# Altium PCB PCB_MPPT.PcbDoc (part 3 of 3)
Units mm, origin at the board's own origin, x right, y up, seen from the top; angles counter-clockwise.
Board outline 100 x 200 mm, 4 copper layers (Top Layer, INT1, INT2, Bottom Layer), stack 1.49 mm thick; 260 components, 151 nets, 768 pads, 592 vias.
Unrouted connection lines stored in the file: 70.
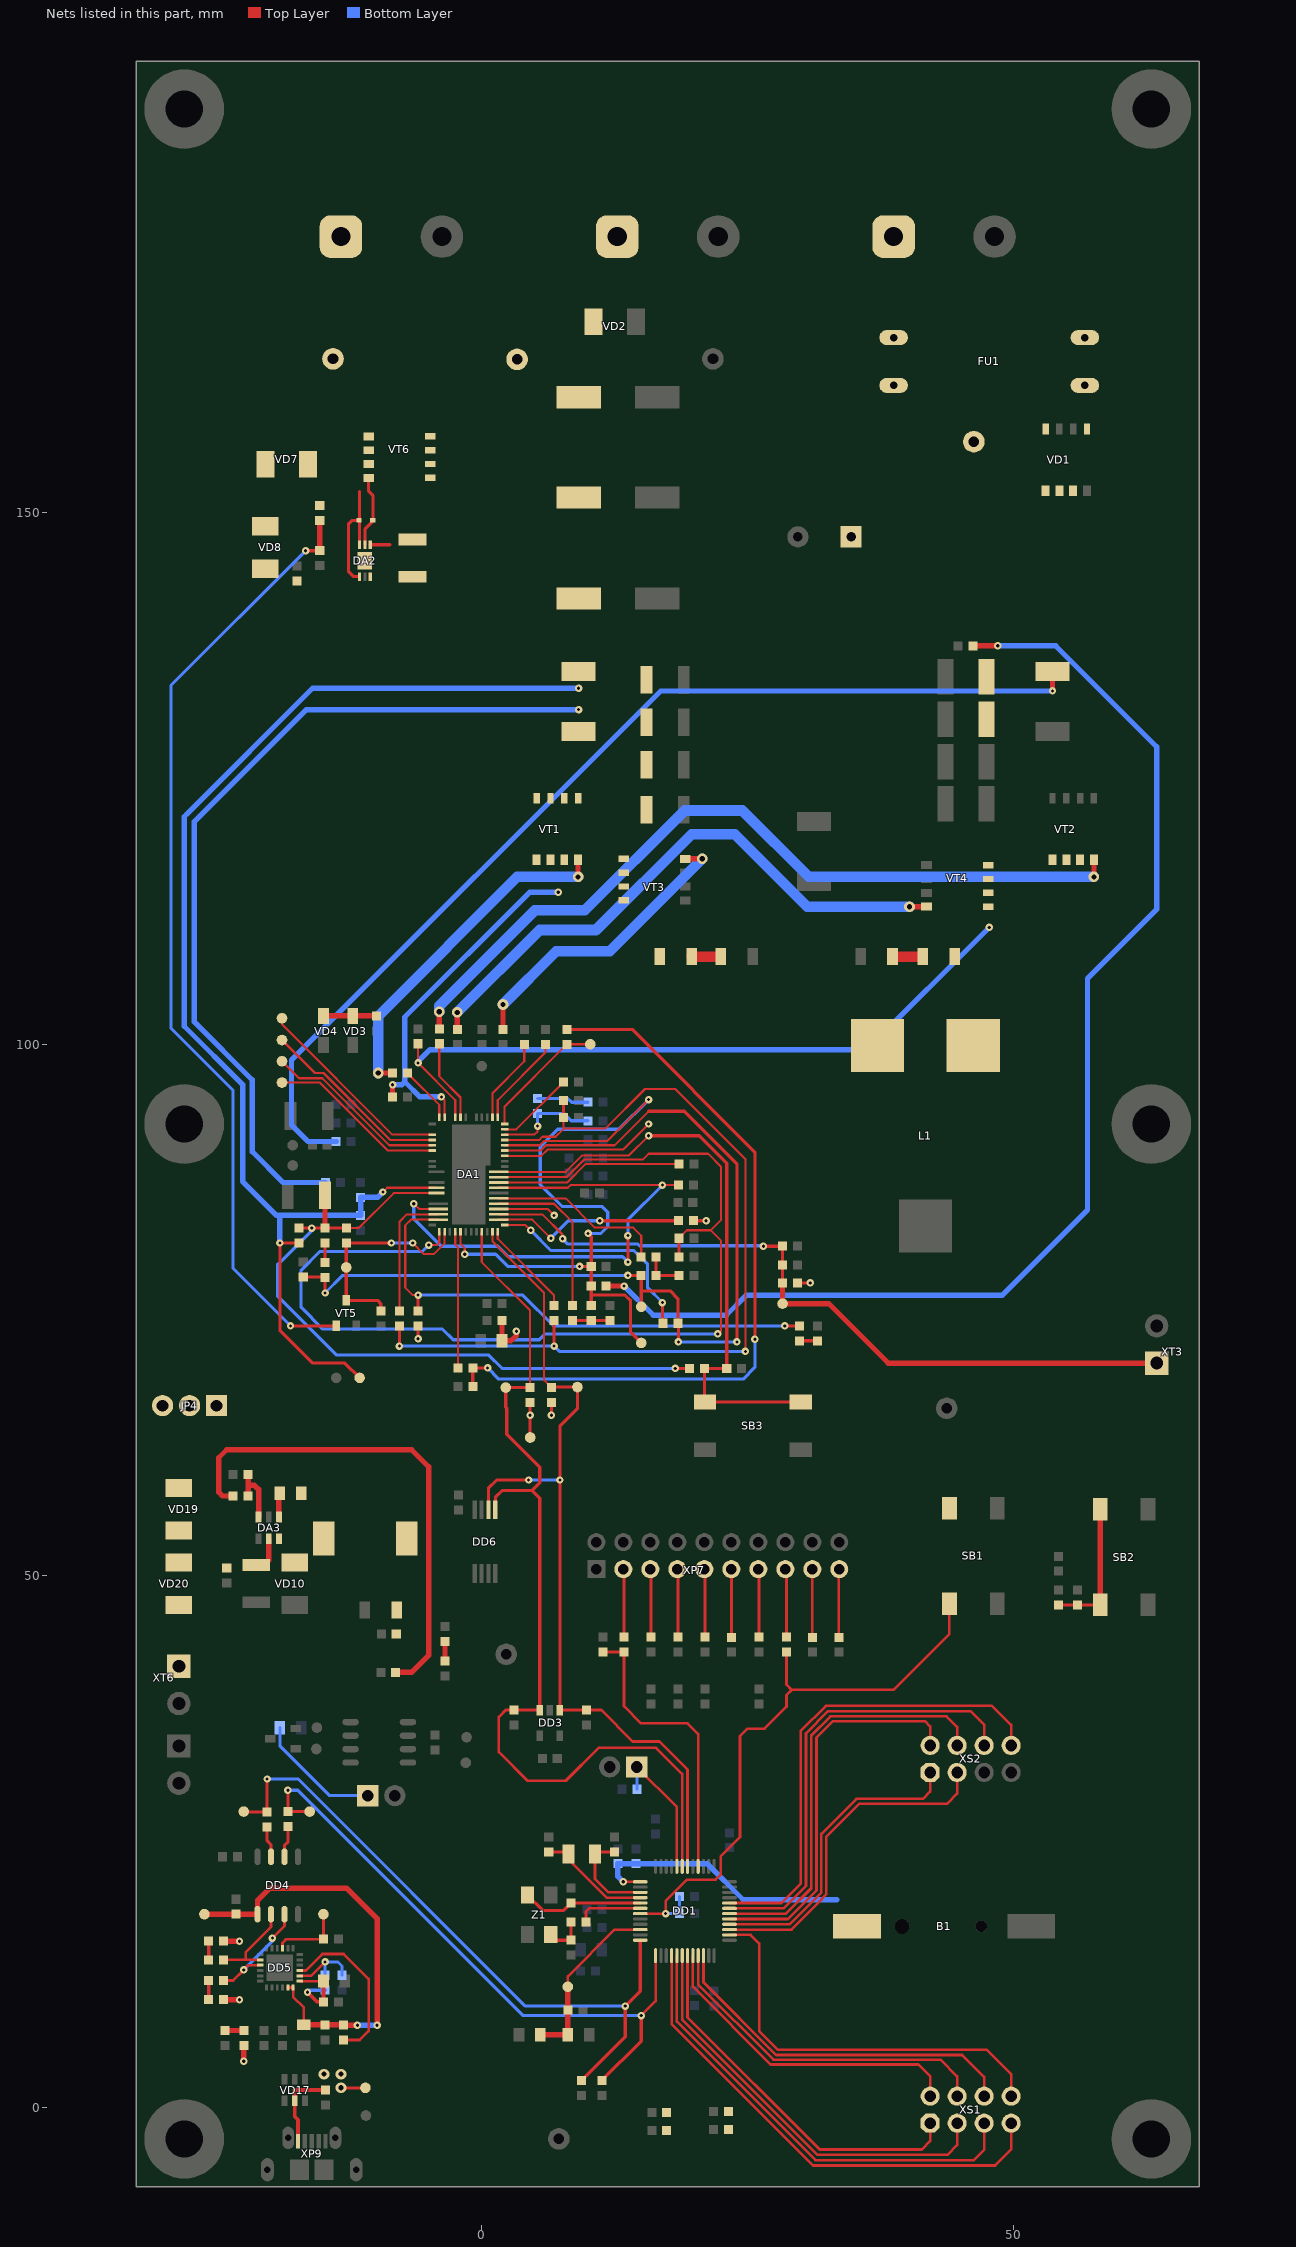
[diagram p5: the nets of this part, all layers, seen from the top]

## Via types
v1: diameter 0.7, hole 0.3, Top Layer to Bottom Layer, tented top, 357 vias
v2: diameter 0.7, hole 0.3, Top Layer to Bottom Layer, 214 vias
v3: diameter 1, hole 0.5, Top Layer to Bottom Layer, 21 vias

## Nets (pads, with @x,y where several pads share a name; then routed paths per layer and width w, separated by ;. In a path a pad name is that pad's centre, name@x,y a point inside that pad or via, vN(x,y) a via of type N, cw(c..) or ccw(c..) an arc to the next point about the centre after c; other vN are vias at no path point) (continued)
Net5_1: 5.1 DA1.16 DA1.57 R18.1 R23.1 R27.2 | length 71.7
  Top Layer w0.2: DA1.57@-2,82.35 -2,81.216 -1.85,81.066 -1.85,81.05 -1.6,80.8 v2(-1.6,80.25) ; DA1.16@2.15,90.5 5.469,90.5 5.869,90.9 11.8,90.9 v2(15.7,94.8)
  Top Layer w0.3: v2(9.2,79.1) R27.2@10.3,79.1 ; v2(10,82.2) 10.3,81.9 R27.2@10.3,79.1 ; R23.1@10.3,75.4 10.3,76.4 ; 5.1@15,71.9 14,72.9 14,75.875 13.475,76.4 10.3,76.4 ; 10.3,76.4 R27.2@10.3,79.1
  Bottom Layer w0.3: v2(-1.6,80.25) 1.3,80.25 2.45,79.1 v2(9.2,79.1) ; v2(10,82.2) 11.2,82.2 11.859,82.859 11.859,84.191 11.3,84.75 7.55,84.75 5.5,86.8 5.5,90.35 7.15,92 12.9,92 v2(15.7,94.8)
Net7_1: 7.1 DA1.15 R20.2 R21.1 R24.1 R29.1 | length 92.3
  Top Layer w0.2: DA1.15@2.15,90 5.534,90 6.034,90.5 12.5,90.5 15.7,93.7
  Top Layer w0.3: R29.1@-16.8,78.1 R20.2@-14.8,78.1 ; v2(-14.75,76.6) R20.2@-14.75,78.05 ; v2(13.75,78.25) R24.1@15,78.25 15,76.8 ; 7.1@15,75.3 15,76.8 ; 15.7,93.7 19.05,93.7 24,88.75 v2(24,72) ; R21.1@18.45,73.75 18.45,76.075 17.725,76.8 15,76.8 ; v2(18.5,72) R21.1@18.5,73.7
  Bottom Layer w0.3: v2(-14.75,76.6) -13.1,78.25 v2(13.75,78.25) ; v2(18.5,72) v2(24,72)
Net9_1: 9.1 DA1.35 | length 19
  Top Layer w0.2: 9.1@-18.8,102.45 -18.8,101.881 -8.419,91.5 DA1.35@-4.65,91.5
Net10_1: 10.1 DA1.36 | length 18
  Top Layer w0.2: 10.1@-18.8,100.4 -15.7,97.3 -14.9,97.3 -8.6,91 DA1.36@-4.65,91
Net12_1: 12.1 DA1.37 | length 17.4
  Top Layer w0.2: 12.1@-18.8,98.4 -17.2,96.8 -15,96.8 -8.7,90.5 DA1.37@-4.65,90.5
Net13_1: 13.1 DA1.38 | length 16.8
  Top Layer w0.2: 13.1@-18.8,96.4 -15.25,96.4 -8.85,90 DA1.38@-4.65,90
Net15_1: 15.1 DA1.20 R42.2 | length 12.1
  Top Layer w0.2: DA1.20@2.15,92.5 2.15,94.15 R42.2@8,100 15.1@10.2,100
Net17_1: 17.1 C38.2 DA1.3 R46.1 R49.2 XT3.1 | length 71.1
  Top Layer w0.2: DA1.3@1.6,84 5.7,84 7.6,82.1 v2(7.6,81.7)
  Top Layer w0.3: v2(26.5,81) C38.2@28.3,81 R49.2@28.3,79.25 R46.1@28.3,77.55
  Top Layer w0.5: R46.1@28.3,77.55 17.1@28.3,75.6 32.65,75.6 38.25,70 XT3.1@63.5,70
  Bottom Layer w0.3: v2(7.6,81.7) 8.1,81.2 14.7,81.2 14.85,81.05 26.45,81.05 v2(26.5,81)
Net49_1: 49.1 DD5.15 R109.2 | length 6.8
  Top Layer w0.25: DD5.15@-18.747,14.95 -18.747,15.453 -18.4,15.8 R109.2@-14.9,15.8 49.1@-14.9,18.15
NetB1_+: B1.+ C53.2 DD1.1 R112.2 | length 25.5
  Top Layer w0.25: v2@13.3,21.2 v2(13.305,21.195) DD1.1@14.909,21.195
  Bottom Layer w0.5: v2(13.305,21.195) 12.8,21.7 C53.2@12.8,22.9 R112.2@14.5,22.9 21.2,22.9 24.6,19.5 33.4,19.5
NetC6_2: C6.2 C7.2 R1.1 R5.1 VT1.5 VT1.6 VT1.7 VT1.8 | length 81.9
  Bottom Layer w0.5: R5.1@-14.7,87 -18.7,87 -21.6,89.9 -21.6,96.65 -27.05,102.1 -27.05,120.95 -16.507,131.493 v2(9.107,131.493)
NetC10_2: C10.2 C11.2 C12.2 C13.1 R2.1 R4.1 VD1.1 VD1.2 VD1.3 | length 216.8
  Top Layer w0.5: 11.7,77.259 13.384,77.259 v2(13.393,77.25) ; C10.2@46.2,137.5 v2(48.55,137.5) ; v2(53.7,133.25) R2.1@53.7,135.075
  Bottom Layer w0.5: R4.1@-13.7,90.85 -16.35,90.85 -17.9,92.4 -17.9,98.514 16.836,133.25 v2(53.7,133.25) ; v2(13.393,77.25) 16.143,74.5 23,74.5 24.9,76.4 49,76.4 57,84.4 57,106.2 63.5,112.7 63.5,128 54,137.5 v2(48.55,137.5)
NetC18_2: C18.2 R6.1 | length 2.7
  Top Layer w1: R6.1@19.75,108.25 C18.2@22.5,108.25
NetC19_2: C19.2 R7.1 | length 2.9
  Top Layer w1: C19.2@38.648,108.25 R7.1@41.498,108.25
NetC26_2: C26.2 R22.1 R23.2 | length 3.5
  Top Layer w0.3: R22.1@8.55,74 R23.2@10.3,74 C26.2@12.05,74
NetC27_2: C27.2 R24.2 R25.1 | length 3.9
  Top Layer w0.3: R25.1@16.4,80 R24.2@16.4,78.25 C27.2@18.55,78.25
NetC33_2: C33.2 DA1.10 DA1.53 R34.2 | length 103.3
  Top Layer w0.2: v2(-5,81.1) -4.25,81.1 -4,81.35 DA1.53@-4,82.35 ; DA1.10@1.6,87.5 7.969,87.5 9.619,89.15 15.15,89.15 15.7,89.7 21.3,89.7 22.5,88.5 22.5,83.45 21.55,82.5 ; R34.2@18.55,81.75 19.3,82.5 21.55,82.5 ; v2(22.2,72.75) 22.5,73.05 22.5,81.55 21.55,82.5
  Top Layer w0.3: C33.2@18.55,80 R34.2@18.55,81.75
  Bottom Layer w0.3: v2(-5,81.1) -5.6,80.5 -15.25,80.5 -17,78.75 -17,75.25 -14.95,73.2 -3.7,73.2 -2.7,72.2 5.4,72.2 5.95,72.75 v2(22.2,72.75)
NetC34_2: C34.2 DA1.19 | length 7.4
  Top Layer w0.2: DA1.19@2.15,92 3.25,92 C34.2@7.7,96.45
NetC35_2: C35.2 DA1.17 R36.1 R37*.2 R44.2 | length 85.2
  Top Layer w0.2: DA1.17@2.15,91 5.403,91 5.703,91.3 6.937,91.3 7.7,92.063 ; R44.2@7.7,93.1 7.7,92.063 ; v2(24.8,71.1) 24.8,89.2 18.2,95.8 15.359,95.8 11.621,92.063 7.7,92.063
  Top Layer w0.3: v2(-7.75,71.6) R37*.2@-7.75,73.5 ; v2(6.8,71.6) R36.1@6.8,74 ; R44.2@7.7,93.1 C35.2@7.7,94.7
  Bottom Layer w0.3: v2(-7.75,71.6) v2(6.8,71.6) 7.3,71.1 v2(24.8,71.1)
NetC36_2: C36.2 R42.1 R43.1 | length 71.9
  Top Layer w0.3: C36.2@-0.85,67.8 R43.1@-0.85,69.55 v2(0.55,69.55) ; R42.1@8,101.4 14.159,101.4 25.7,89.859 v2(25.7,72.25)
  Bottom Layer w0.3: v2(0.55,69.55) 1.6,68.5 24.6,68.5 25.7,69.6 v2(25.7,72.25)
NetC37_2: C37.2 DA1.18 R47.2 | length 10
  Top Layer w0.2: DA1.18@2.15,91.5 4.95,91.5 5.25,91.8 v2(5.25,92.3)
  Bottom Layer w0.3: v2(5.25,92.3) R47.2@5.25,93.5 7.7,93.5 8.4,92.8 C37.2@10,92.8
NetC39_2: C39.2 R47.1 | length 4.9
  Bottom Layer w0.3: R47.1@5.25,94.9 8.1,94.9 8.45,94.55 C39.2@10,94.55
NetC40_1: C40.1 DA2.6 DA2.7 R53.1 VD8.2
NetC41_1: C41.1 DA3.6 L2.2 VD10.2
NetC41_2: C41.2 DA3.1 | length 2.3
  Top Layer w0.5: DA3.1@-19.097,55.525 -19.097,57.653 C41.2@-19,57.75
NetC42_2: C42.2 C43.2 DA3.5 VD19.2 VD20.2 | length 3.8
  Top Layer w0.5: C42.2@-20.797,51 C42.2@-21.22,51 -20.5,51 -20.047,51.453 DA3.5@-20.047,53.475
NetC44_2: C44.2 C45.2 L2.1 R54.2 R56.2 | length 47
  Top Layer w0.5: R56.2@-23.4,57.5 -24.397,57.5 -24.75,57.853 -24.75,61.097 -23.997,61.85 -6.6,61.85 -5,60.25 -5,42.5 -6.6,40.9 R54.2@-8.1,40.9
NetC61_2: C61.2 DD1.5 Z1.1 | length 11.5
  Top Layer w0.25: C61.2@8.4,19.2 8.405,19.195 DD1.5@14.909,19.195
  Top Layer w0.3: Z1.1@4.3,19.95 5.75,18.5 7.7,18.5 C61.2@8.4,19.2
NetC62_2: C62.2 R89.2 Z1.3 | length 3.8
  Top Layer w0.3: Z1.3@6.5,16.25 7.05,15.7 C62.2@8.4,15.7 R89.2@8.4,17.4
NetC74_1: C74.1 DD1.3 Z2.2 | length 8.8
  Top Layer w0.25: Z2.2@10.65,23.8 10.65,21.45 11.905,20.195 DD1.3@14.909,20.195
  Top Layer w0.3: Z2.2@10.85,24 C74.1@12.5,24
NetC75_1: C75.1 DD1.4 Z2.1 | length 10.7
  Top Layer w0.25: Z2.1@8.4,23.8 Z2.1@8.15,23.8 8.15,23.3 11.755,19.695 DD1.4@14.909,19.695
  Top Layer w0.3: C75.1@6.3,24 Z2.1@7.95,24
NetDA1_1: DA1.1 R21.2 | length 21.1
  Top Layer w0.2: DA1.1@2.15,83 4.1,83 v2(4.6,82.5)
  Top Layer w0.3: v2(17,75.7) 17,73.8 R21.2@17.05,73.75
  Bottom Layer w0.3: v2(4.6,82.5) 6.5,80.6 14.3,80.6 15.6,79.3 15.6,77.1 v2(17,75.7)
NetDA1_2: DA1.2 R30.1 | length 18.3
  Top Layer w0.2: DA1.2@1.6,83.5 4.75,83.5 v2(6.5,81.75)
  Top Layer w0.3: v2(11.1,83.4) R30.1@18.5,83.4
  Bottom Layer w0.3: v2(6.5,81.75) 8.15,83.4 v2(11.1,83.4)
NetDA1_5: DA1.5 R22.2 | length 15.5
  Top Layer w0.2: DA1.5@1.6,85 6.8,85 8.55,83.25 R22.2@8.55,75.4
NetDA1_6: DA1.6 R25.2 | length 16.8
  Top Layer w0.2: DA1.6@1.6,85.5 7.893,85.5 10.643,82.75 14.25,82.75 15,82 R25.2@15,80
NetDA1_8: DA1.8 DA1.49 R26.1 | length 51.4
  Top Layer w0.2: v2(-6.4,85) -5.9,84.5 DA1.49@-4.1,84.5 ; DA1.8@1.6,86.5 8.1,86.5 8.35,86.75 v2(17,86.75) R26.1@18.5,86.75
  Top Layer w0.3: v2(13.75,79.5) v2(13.75,82)
  Bottom Layer w0.3: v2(-6.4,85) -6.4,83.6 -3.8,81 1.5,81 2.5,80 13.25,80 v2(13.75,79.5) ; v2(13.75,82) 13.75,83.5 v2(17,86.75)
NetDA1_9: DA1.9 R40.2 | length 17.7
  Top Layer w0.2: DA1.9@1.6,87 8.034,87 9.784,88.75 R40.2@18.559,88.75
NetDA1_11: DA1.11 R48.1 R51.2 SB3.2 | length 57.4
  Top Layer w0.2: DA1.11@1.6,88 7.903,88 9.453,89.55 13.85,89.55 v2(15.7,91.4)
  Top Layer w0.3: v2(15.7,91.4) 20.461,91.4 23.05,88.811 R51.2@23.05,69.5 R48.1@20.95,69.5 SB3.2@20.95,66.4 ; SB3.2@21,66.35 SB3.2@30,66.35
NetDA1_21: DA1.21 R39.2 | length 8.7
  Top Layer w0.2: DA1.21@1.5,93.15 1.5,94.75 6,99.25 R39.2@6,100
NetDA1_22: DA1.22 R41.2 | length 8.1
  Top Layer w0.2: DA1.22@1,93.15 1,95.4 4,98.4 R41.2@4,100
NetDA1_50: DA1.50 R37*.1 | length 12.3
  Top Layer w0.2: R37*.1@-7.75,74.9 -7.75,83.313 -7.063,84 DA1.50@-4.1,84
NetDA1_51: DA1.51 R31.1 VD5.1 | length 49.2
  Top Layer w0.2: v2(-6,76.4) -6.5,76.4 -7.2,77.1 -7.2,82.963 -6.663,83.5 DA1.51@-4.1,83.5
  Top Layer w0.3: R31.1@-6,74.9 v2(-6,76.4) ; v2(28.5,73.5) VD5.1@29.85,73.5
  Bottom Layer w0.3: v2(-6,76.4) 3.85,76.4 6.75,73.5 v2(28.5,73.5)
NetDA1_56: DA1.56 R43.2 | length 12.9
  Top Layer w0.2: DA1.56@-2.5,82.35 -2.5,81.15 -2.25,80.9 R43.2@-2.25,69.55
NetDA1_64: DA1.64 R36.2 | length 9.1
  Top Layer w0.2: DA1.64@1.5,82.35 1.5,81.7 6.8,76.4 R36.2@6.8,75.4
NetDA2_2: DA2.2 VD6.2 VT6.4 | length 6.8
  Top Layer w0.3: DA2.2@-11,146.995 -11,148.45 -10.2,149.25 VD6.2@-10.2,149.3 ; VT6.4@-10.65,153.3 -10.65,152.05 -10.25,151.65 VD6.2@-10.25,149.3
NetDA2_3: DA2.3 DA2.4 R50.2 VD6.1 VD7.2 VT6.1 VT6.2 VT6.3 XP3.1 XT4.1 | length 14.6
  Top Layer w0.3: VD6.1@-11.55,149.3 -12.2,149.3 -12.55,148.95 -12.55,144.5 -12.059,144.009 DA2.4@-11.5,144.009 ; DA2.3@-11.5,146.995 -11.5,152 VD6.1@-11.5,149.3
NetDA3_3: DA3.3 R56.1 R59.2 | length 5.5
  Top Layer w0.5: R56.1@-21.97,57.75 -21.97,58.5 ; R59.2@-21.97,59.55 -21.97,58.5 ; DA3.3@-20.997,55.525 -20.997,58.117 -21.38,58.5 -21.97,58.5
NetDD1_6: DD1.6 R89.1 | length 6.2
  Top Layer w0.25: R89.1@9.8,17.4 9.8,18.4 10.095,18.695 DD1.6@14.909,18.695
NetDD1_44: DD1.44 JP3.1 R92.2 | length 13
  Top Layer w0.25: JP3.1@14.57,32 14.573,32 18.359,28.214 DD1.44@18.359,22.645
  Bottom Layer w0.25: JP3.1@14.57,32 14.6,31.97 R92.2@14.6,29.9
NetDD4_2: DD4.2 DD5.20 VD16.2 | length 8.7
  Top Layer w0.25: VD16.2@-24.3,13.85 -22.2,13.85 ; DD5.20@-20.847,13.85 -22.2,13.85 ; DD4.2@-19.832,18.15 -19.832,16.943 -22.2,14.575 -22.2,13.85
NetDD4_3: DD4.3 DD5.21 VD15.2 | length 10.9
  Top Layer w0.25: VD15.2@-24.297,11.9 -23.4,11.9 v2(-22.4,12.9) -21.95,13.35 DD5.21@-20.847,13.35 ; v2(-19.7,15.9) -18.562,17.038 DD4.3@-18.562,18.15
  Bottom Layer w0.3: v2(-22.4,12.9) -19.7,15.6 v2(-19.7,15.9)
NetDD4_6: DD4.6 R104.2 | length 3
  Top Layer w0.3: DD4.6@-18.562,23.55 -18.562,24.638 -18.225,24.975 R104.2@-18.225,26.4
NetDD4_7: DD4.7 R103.2 | length 3
  Top Layer w0.3: R103.2@-20.2,26.35 -20.2,25.053 -19.832,24.685 DD4.7@-19.832,23.55
NetDD5_8: DD5.8 R110.1 R111.1 | length 6.8
  Top Layer w0.25: DD5.8@-17.147,12.35 -16.05,12.35 v2(-14.75,13.65)
  Bottom Layer w0.25: R111.1@-14.75,12.4 v2(-14.75,13.65) -13.55,13.65 -13.15,13.25 R110.1@-13.15,12.4
NetDD5_9: DD5.9 R108.2 | length 15.7
  Top Layer w0.25: DD5.9@-17.147,12.85 -16.55,12.85 -15,14.4 -13,14.4 -10.65,12.05 -10.65,7.15 -11.5,6.3 R108.2@-13,6.3
NetJP2_1: JP2.1 R98.1 | length 11.9
  Bottom Layer w0.3: R98.1@-19,35.7 -19,34 -14.3,29.3 JP2.1@-10.72,29.3
NetR8_2: R8.2 VT1.4 | length 33
  Top Layer w0.5: v3@-9.7,97.05 -9.75,97.1 v3(-9.75,97.3) R8.2@-8.4,97.3 ; v3(9.059,115.75) VT1.4@9.059,117.35
  Bottom Layer w0.5: v3@-9.75,97.059 v3(-9.75,97.3)
  Bottom Layer w1: v3(-9.75,97.3) -9.75,102.65 3.35,115.75 v3(9.059,115.75)
NetR9_2: R9.2 VT3.4 | length 28.4
  Top Layer w0.5: R9.2@2,101.4 v3(2,103.75) ; VT3.4@19.15,117.45 v3(20.75,117.45)
  Bottom Layer w1: v3(2,103.75) 7,108.75 12.05,108.75 v3(20.75,117.45)
NetR10_2: R10.2 VT4.4 | length 55.5
  Top Layer w0.5: R10.2@-2.3,101.4 v3(-2.3,103) ; v3(40.25,112.95) VT4.4@41.85,112.95
  Bottom Layer w1: v3(-2.3,103) 5.45,110.75 10.75,110.75 19.75,119.75 23.809,119.75 30.609,112.95 v3(40.25,112.95)
NetR11_2: R11.2 VT2.4 | length 75.6
  Top Layer w0.5: R11.2@-4,101.45 v3(-4,103.05) ; v3(57.6,115.75) VT2.4@57.6,117.35
  Bottom Layer w1: v3(-4,103.05) -4,103.6 5,112.6 9.7,112.6 19.1,122 24.5,122 30.75,115.75 v3(57.6,115.75)
NetR13_1: R13.1 VD3.1 VD4.1 | length 5
  Top Layer w0.5: VD4.1@-14.9,102.675 VD3.1@-12.15,102.675 -9.925,102.675 R13.1@-9.9,102.65
NetR17_2: R17.2 R20.1 | length 1.8
  Top Layer w0.3: R20.1@-14.75,79.45 R17.2@-14.75,81.3
NetR33_2: R33.2 VD5.2 | length 1.7
  Top Layer w0.3: VD5.2@29.9,72.1 R33.2@31.6,72.1
NetR50_1: R50.1 R52.2 VT5.1 | length 91.3
  Top Layer w0.3: v2(-18,73.5) VT5.1@-13.7,73.5 ; v2(-16.575,146.45) R52.2@-15.25,146.45
  Top Layer w0.5: R52.2@-15.25,146.45 R50.1@-15.25,149.3
  Bottom Layer w0.3: v2(-18,73.5) -23.4,78.9 -23.4,95.65 -29.25,101.5 -29.25,133.775 v2(-16.575,146.45)
NetR57_2: R57.2 VD9.2 | length 1.8
  Top Layer w0.5: VD9.2@-3.47,41.95 R57.2@-3.47,43.8
NetR65_2: R65.2 XP7.3 | length 6.3
  Top Layer w0.3: R65.2@13.378,44.228 XP7.3@13.378,50.551
NetR68_2: R68.2 XP7.5 | length 6.3
  Top Layer w0.3: R68.2@15.918,44.228 XP7.5@15.918,50.551
NetR69_2: R69.2 XP7.7 | length 6.3
  Top Layer w0.3: R69.2@18.458,44.228 XP7.7@18.458,50.551
NetR70_2: R70.2 XP7.9 | length 6.3
  Top Layer w0.3: R70.2@20.998,44.228 XP7.9@20.998,50.551
NetR71_2: R71.2 XP7.13 | length 6.3
  Top Layer w0.3: R71.2@26.078,44.228 XP7.13@26.078,50.551
NetR73_2: R73.2 XP7.15 | length 6.3
  Top Layer w0.3: R73.2@28.666,44.228 XP7.15@28.666,50.503
NetR94_1: R94.1 R97.2 SB2.1 | length 12.9
  Top Layer w0.3: R94.1@54.25,47.25 R97.2@56.055,47.25 SB2.1@58.2,47.25
  Top Layer w0.5: SB2.1@58.2,47.25 SB2.1@58.2,56.25
NetR95_2: R95.2 VD12.2
NetR96_2: R96.2 VD13.2
NetR101_2: R101.2 VD15.1 | length 1.8
  Top Layer w0.3: R101.2@-25.697,10.103 VD15.1@-25.697,11.9
NetR102_2: R102.2 VD16.1 | length 1.7
  Top Layer w0.3: VD16.1@-25.7,13.85 R102.2@-25.7,15.6
NetR105_2: R105.2 VD18.1 | length 1.7
  Top Layer w0.5: VD18.1@-24.147,7.2 R105.2@-22.397,7.2
NetR115_2: R115.2 XP7.19 | length 6.4
  Top Layer w0.25: R115.2@33.6,44.2 33.6,50.571 XP7.19@33.639,50.61
NetR116_2: R116.2 XP7.17 | length 6.4
  Top Layer w0.25: XP7.17@31.099,50.61 31.1,50.609 R116.2@31.1,44.2
NetR117_2: R117.2 XP7.11 | length 6.4
  Top Layer w0.25: XP7.11@23.479,50.61 23.5,50.589 R117.2@23.5,44.2
NetVD7_1: VD7.1 VD8.1
NetVD20_1: VD20.1 XT6.1
NJTRST: DD1.40 R60.1 R65.1 | length 27.6
  Top Layer w0.25: R65.1@13.378,42.828 13.378,37.722 15,36.1 19.377,36.1 20.359,35.118 DD1.40@20.359,22.645
  Top Layer w0.3: R60.1@11.416,42.828 R65.1@13.378,42.828
NRST: C60.2 DD1.7 R73.1 R88.1 SB1.2 | length 57.4
  Top Layer w0.25: DD1.7@14.909,18.195 v2(17.295,18.195) 17.295,19.395 19.3,21.4 22,21.4 22.5,21.9 22.5,23.6 24.3,25.4 24.3,34.9 25,35.6 26.6,35.6 28.666,37.666 28.666,38.75 29.166,39.25 ; R73.1@28.666,42.828 28.666,39.75 29.166,39.25 ; SB1.2@44,47.35 44,44.5 38.75,39.25 29.166,39.25
  Bottom Layer w0.3: v2@17.3,18.2 C60.2@18.6,18.2 R88.1@18.6,19.8
PA6: DD1.16 XS1.7 | length 47
  Top Layer w0.25: DD1.16@17.859,14.245 17.859,7.82 31.179,-5.5 48.3,-5.5 49.81,-3.99 XS1.7@49.81,-1.52
PA7: DD1.17 XS1.5 | length 43.4
  Top Layer w0.25: DD1.17@18.359,14.245 18.359,8.027 31.386,-5 46.3,-5 47.27,-4.03 XS1.5@47.27,-1.52
PA8: DD1.29 XS2.2 | length 37
  Top Layer w0.25: DD1.29@23.309,17.695 28.817,17.695 31.5,20.379 31.5,34.75 33.06,36.31 41.69,36.31 42.19,35.81 XS2.2@42.19,34.02
PA9: DD1.30 XS2.4 | length 39.7
  Top Layer w0.25: DD1.30@23.309,18.195 28.61,18.195 31,20.586 31,34.957 32.803,36.76 43.74,36.76 44.73,35.77 XS2.4@44.73,34.02
PA10: DD1.31 XS2.6 | length 42.6
  Top Layer w0.25: DD1.31@23.309,18.695 28.402,18.695 30.5,20.793 30.5,35.164 32.586,37.25 46,37.25 47.27,35.98 XS2.6@47.27,34.02
PA11: DD1.32 XS2.8 | length 45.3
  Top Layer w0.25: DD1.32@23.309,19.195 28.195,19.195 30,21 30,35.371 32.379,37.75 48,37.75 49.81,35.94 XS2.8@49.81,34.02
PB0: DD1.18 XS1.3 | length 39.6
  Top Layer w0.25: DD1.18@18.859,14.245 18.859,8.234 31.593,-4.5 43.8,-4.5 44.73,-3.57 XS1.3@44.73,-1.52
PB1: DD1.19 XS1.1 | length 35.8
  Top Layer w0.25: DD1.19@19.359,14.245 19.359,8.441 31.8,-4 41.4,-4 42.19,-3.21 XS1.1@42.19,-1.52
PB2: DD1.20 XS1.2 | length 30.6
  Top Layer w0.25: DD1.20@19.859,14.245 19.859,11.327 27.186,4 41.1,4 42.19,2.91 XS1.2@42.19,1.02
PB10: DD1.21 XS1.4 | length 32.6
  Top Layer w0.25: DD1.21@20.384,14.22 DD1.21@20.359,14.245 20.359,11.534 27.443,4.45 43.15,4.45 44.73,2.87 XS1.4@44.73,1.02
PB11: DD1.22 XS1.6 | length 34.4
  Top Layer w0.25: DD1.22@20.859,14.245 20.859,11.741 27.7,4.9 45.2,4.9 47.27,2.83 XS1.6@47.27,1.02
PB13: DD1.26 XS1.8 | length 38.8
  Top Layer w0.25: DD1.26@23.309,16.195 25.305,16.195 26.1,15.4 26.1,7.136 27.836,5.4 47.5,5.4 49.81,3.09 XS1.8@49.81,1.02
PB14: DD1.27 XS2.3 | length 31.9
  Top Layer w0.25: DD1.27@23.309,16.695 29.152,16.695 31.979,19.521 31.979,19.584 32.4,20.006 32.4,25.4 35.55,28.55 43.8,28.55 44.73,29.48 XS2.3@44.73,31.48
PB15: DD1.28 XS2.1 | length 29.1
  Top Layer w0.25: DD1.28@23.309,17.195 28.953,17.195 31.95,20.192 31.95,25.7 35.25,29 41.5,29 42.19,29.69 XS2.1@42.19,31.48
SCL: 14.1 DA1.63 DD1.42 DD3.1 DD6.6 R35.2 R99.2 | length 82.9
  Top Layer w0.2: DA1.63@1,82.35 1,81.469 5.869,76.6 5.869,68.381 R35.2@6.55,67.7
  Top Layer w0.25: R99.2@9.839,37.354 11.246,37.354 14.2,34.4 16.7,34.4 19.359,31.741 DD1.42@19.359,22.645
  Top Layer w0.3: DD6.6@0.625,56.201 0.625,58.225 1.4,59 v2(4.4,59) ; R35.2@6.6,67.75 14.1@9,67.75 9,65.7 7.35,64.05 DD3.1@7.35,37.35 R99.2@9.835,37.35
  Bottom Layer w0.3: v2(4.4,59) v2(7.35,59)
SDA: 16.1 DA1.61 DD1.43 DD3.3 DD6.5 R38.2 R100.2 | length 92.8
  Top Layer w0.2: DA1.61@0,82.35 0,79.5 4.55,74.95 R38.2@4.55,67.7
  Top Layer w0.25: R100.2@3.039,37.354 2.254,37.354 1.6,36.7 1.6,33.4 4.3,30.7 7.9,30.7 11,33.8 16.4,33.8 18.859,31.341 DD1.43@18.859,22.645
  Top Layer w0.3: DD6.5@1.275,56.201 1.275,57.375 1.9,58 4.7,58 ; R100.2@3.039,37.354 DD3.3@5.446,37.354 ; R38.2@4.55,67.7 16.1@2.25,67.7 2.25,65.85 2.35,65.75 2.35,63.3 5.45,60.2 5.45,58.75 4.7,58 ; DD3.3@5.45,37.35 5.45,57.3 4.75,58 4.7,58
SW1: C23.1 DA1.31 L1.2 R6.2 VT1.1 VT1.2 VT1.3 VT3.5 VT3.6 VT3.7 VT3.8 | length 33.9
  Top Layer w0.2: v2(-3.8,95.05) -3.5,94.75 DA1.31@-3.5,93.15
  Top Layer w0.5: C23.1@-8.4,95.05 v2(-8.4,96.2)
  Bottom Layer w0.5: v2(-8.4,96.2) -7.525,96.2 -7.25,96.475 ; v2(-3.8,95.05) -5.825,95.05 -7.25,96.475 ; v2(7.2,114.3) 4.5,114.3 -7.25,102.55 -7.25,96.475
SW2: C24.2 DA1.29 L1.1 R7.2 VT2.1 VT2.2 VT2.3 VT4.5 VT4.6 VT4.7 VT4.8 | length 67.5
  Top Layer w0.2: C24.2@-6,100.05 v2(-6,98.25) -2.5,94.75 DA1.29@-2.5,93.15
  Bottom Layer w0.5: v2(-6,98.25) -6,98.381 -4.881,99.5 36.25,99.5 v2(47.75,111)
TEMP: 18.1 C46.2 DD1.10 R55.1 R58.1 | length 16.7
  Top Layer w0.25: 18.1@8.1,11.314 8.1,12.3 12.495,16.695 DD1.10@14.909,16.695
  Top Layer w0.5: R55.1@5.5,6.8 R58.1@8.1,6.8 18.1@8.1,11.314
TG1: DA1.32 R8.1 | length 5.3
  Top Layer w0.2: R8.1@-7,97.05 -6.75,97.05 -4,94.3 DA1.32@-4,93.15
TG2: DA1.28 R11.1 | length 7.7
  Top Layer w0.2: R11.1@-4,100.05 -4,97 -2,95 DA1.28@-2,93.15
USART2-RX: 47.1 DD1.13 R104.1 R114.1 | length 59.9
  Top Layer w0.25: v2(15,8.6) 16.359,9.959 DD1.13@16.359,14.245
  Top Layer w0.3: R104.1@-18.247,27.822 v2(-18.247,29.8) ; R104.1@-18.225,27.8 47.1@-16.2,27.8 ; R114.1@11.3,2.5 15,6.2 v2(15,8.6)
  Bottom Layer w0.3: v2(-18.247,29.8) -17.3,29.8 3.9,8.6 v2(15,8.6)
USART2-TX: 45.1 DD1.12 R103.1 R113.1 | length 63.3
  Top Layer w0.3: 45.1@-22.35,27.75 R103.1@-20.2,27.75 v2(-20.2,30.863) ; R113.1@9.4,2.5 13.5,6.6 v2(13.5,9.5) 14.909,10.909 DD1.12@14.909,15.695
  Bottom Layer w0.3: v2(-20.2,30.863) -17.263,30.863 4.1,9.5 v2(13.5,9.5)
VBAT: FU1.1 JP4.3 R18.2 VD1.5 VD1.8 XP2.1
VBATF: FU1.2 XT2.1
VCC5V-USB: 44.1 C66.1 C67.2 C70.1 DD5.7 R105.1 R111.2 VD17.5 XP9.1 | length 19.3
  Top Layer w0.25: DD5.7@-17.147,11.85 C67.2@-15.1,11.85
  Top Layer w0.3: v3(-13.25,1.8) 44.1@-10.95,1.8
  Top Layer w0.35: VD17.5@-17.6,0.575 -17.6,-0.9 -17.3,-1.2 XP9.1@-17.3,-3.227 ; v2(-16.4,10.8) -15.5,9.9 C66.1@-14.9,9.9 C67.2@-14.9,11.85
  Top Layer w0.4: VD17.5@-17.6,0.575 -17.6,1.597 -17.597,1.6 C70.1@-14.7,1.6
  Top Layer w0.5: v2(-22.397,4.3) R105.1@-22.397,5.8
  Bottom Layer w0.35: v2(-16.4,10.8) -16.2,11 R111.2@-14.75,11
  other v3: -14.85,3.1 -13.25,3.1
VDD: 11.1 C31.2 DA1.4 DA1.14 R30.2 R31.2 R32.1 R35.1 R38.1 R46.2 | length 32.2
  Top Layer w0.2: DA1.4@1.6,84.5 6.2,84.5 v2(6.8,83.9) ; DA1.14@2.15,89.5 5.6,89.5 6.2,90.1 13.3,90.1 v2(15.7,92.5)
  Top Layer w0.3: v2(-6,72.3) R31.2@-6,73.5 ; 11.1@4.55,63 v2(4.55,65.1) R38.1@4.55,66.3 ; v2(6.55,65.1) R35.1@6.55,66.3 ; R30.2@19.9,83.4 v2(21.1,83.4) ; R46.2@29.7,77.55 v2(30.9,77.55)
  Top Layer w0.5: R32.1@1.9,74 C31.2@1.9,72.1 2.755,72.1 3.259,72.605 v2(3.259,73)
VDD1: 48.1 C69.1 C71.1 C72.2 DD4.1 DD5.5 DD5.6 R101.1 R102.1 R108.1 | length 43.6
  Top Layer w0.25: DD5.5@-18.247,11.25 DD5.6@-17.747,11.25 -17.747,10.347 -16.747,9.347 C72.2@-16.747,7.75
  Top Layer w0.5: 48.1@-26.1,18.15 C69.1@-23.147,18.15 DD4.1@-21.102,18.15 -21.102,19.445 -19.947,20.6 -12.73,20.6 -9.85,17.72 v2(-9.85,7.7) ; R101.1@-24.3,10.1 v2(-22.8,10.1) ; R102.1@-24.3,15.6 v2(-22.8,15.6) ; C72.2@-16.747,7.75 -13.05,7.75 R108.1@-13,7.7 v2(-11.7,7.7)
  Bottom Layer w0.5: v2(-11.7,7.7) v2(-9.85,7.7)
VIN: C25.2 DA1.46 R16.2 R17.1 R19.1 R48.2 | length 66.7
  Top Layer w0.2: R19.1@-12.75,82.7 -11.6,82.7 -8.3,86 DA1.46@-4.25,86
  Top Layer w0.3: R16.2@-17.2,82.7 v2(-16,82.7) R17.1@-14.75,82.7 R19.1@-12.75,82.7 ; v2(18.2,69.5) R48.2@19.55,69.5
  Top Layer w0.5: R17.1@-14.75,82.7 C25.2@-14.75,85.8
  Bottom Layer w0.3: v2(-16,82.7) -16,82.45 -19.15,79.3 -19.2,79.3 -19.2,76.3 -13.65,70.75 0.65,70.75 1.9,69.5 v2(18.2,69.5)
VIN1: 1.1 C1.1 C2.1 C3.1 C4.2 C5.2 C16.1 C17.2 C40.2 DA1.45 DA2.1 JP4.1 R1.2 R16.1 VD2.2 VT6.5 VT6.6 VT6.7 VT6.8 XP1.1 XT1.1 | length 124.2
  Top Layer w0.2: v2(-9.3,86.1) -8.9,86.5 DA1.45@-4.25,86.5
  Top Layer w0.3: R16.1@-17.2,81.3 v2(-19,81.3) -19,73.1 -15.9,70 -12.891,70 1.1@-11.5,68.609 ; DA2.1@-10.5,147 -8.625,147
  Bottom Layer w0.5: v2(-19,81.3) -19,83.9 ; v2(-9.3,86.1) -9.8,85.6 C16.1@-11.4,85.6 C17.2@-11.4,83.9 -19,83.9 ; v2(9.109,133.5) -15.914,133.5 -27.707,121.707 -28,121.414 -28,101.7 -22.5,96.2 -22.5,87.1 -19.3,83.9 -19,83.9
VIN_MCU: JP4.2 VD19.1
VINR: 6.1 DA1.54 R19.2 R28.1 VT5.3 | length 20.7
  Top Layer w0.2: v2(-6.5,81.3) -5.45,80.25 -4.534,80.25 -3.5,81.284 DA1.54@-3.5,82.35
  Top Layer w0.3: R28.1@-9.5,74.9 -9.5,75.6 -9.8,75.9 VT5.3@-12.75,75.9 6.1@-12.75,79 R19.2@-12.75,81.3 v2(-8.5,81.3)
  Bottom Layer w0.3: v2(-8.5,81.3) v2(-6.5,81.3)
pads on no net: B1.0 DA1.48 DA2.5 DA3. DA3.4 DD1. DD1.2 DD1.11 DD1.25 DD1.41 DD2.5 DD2.28 DD3. DD4.28 DD5. DD5.1 DD5.10 DD5.11 DD5.12 DD5.13 DD5.14 DD5.16 DD5.17 DD5.18 DD5.19 DD5.22 DD5.23 DD5.24 DD6.1 L1.3 VD1. VD1.4 VD1.6 VD1.7 VD2. VD3. VD4. VD7. VD8. VD10. VD17. VD19. VD20. VT1. VT2. VT3. VT4. VT6. XP7.41 XP9.4 XT3. XT5. XT6.
copper on no net: | length 1.9
  Top Layer w0.3: -17.472,33.688 -15.565,33.688

## Polygon pours and split planes (outlines as drawn)
GND on Top Layer "GND_L01_P024" (solid, remove dead copper, pour order 24): 17.75,118.75 17.75,136.5 17.75,138.75 13,138.75 13,171.25 17.5,171.25 17.5,182 1.75,182 1.75,171.25 -9,171.25 -9,190.5 58.25,190.5 58.25,171 43.75,171 43.75,182 31.5,182 31.5,138 45,138 45,137 45,118.75
NetDA2_3 on Top Layer "NETDA2_3_L01_P034" (solid, remove dead copper, pour order 34): -10,190.5 -10,151.5 -13.75,151.5 -13.75,150.25 -18,150.25 -18,190.5
AGND on Top Layer "AGND_L01_P096" (solid, remove dead copper, pour order 96): -19.75,105.75 8,105.75 20,93.75 66.5,93.75 66.5,61.75 -19.75,61.75
NetC42_2 on Top Layer "NETC42_2_L01_P103" (solid, remove dead copper, pour order 103): -19.75,52 -26,52 -26,55.25 -31.5,55.25 -31.5,52 -31.5,50.25 -19.75,50.25
VIN1 on Top Layer "VIN1_L01_P099" (solid, remove dead copper, pour order 99): 12,133 12,172.5 16.25,172.5 16.25,181 2.75,181 2.75,170 -9,170 -9,146.25 -3.5,146.25 -3.5,140 -26,140 -31.5,140 -31.5,133 -31.5,97.45 -31.5,84.5 -31.5,57 -26,57 -26,63 -20.7,63 -20.7,105.75 -26,105.75 -26,133 -3.5,133
NetVD20_1 on Top Layer "NETVD20_1_L01_P004" (solid, remove dead copper, pour order 4): -31.5,49.5 -26.25,49.5 -26.25,38.75 -31.5,38.75
NetC40_1 on Top Layer "NETC40_1_L01_P101" (solid, remove dead copper, pour order 101): -23.2,143.07 -23.2,141.2 -4.5,141.2 -4.5,145.293 -8.603,145.293 -9.5,146.2 -10.65,146.2 -10.65,143.209 -16.9,143.209 -16.9,144.2 -18.5,144.2 -18.5,146.2 -23.2,146.2
VCC5V-USB on Top Layer "VCC5V-USB_L01_P089" (solid, remove dead copper, pour order 89): -15.7,3.8 -12.5,3.8 -12.5,1.1 -15.7,1.1
GND_USB on Top Layer "GND_USB_L01_P002" (solid, remove dead copper, pour order 2): -14.9,-1.8 -13,-1.8 -13,-4.2 -14.9,-4.2
A on Top Layer "A_L01_P022" (solid, remove dead copper, pour order 22): 42.387,117.75 18.6,117.75 18.6,110 24.107,110 24.107,107.25 36.947,107.25 36.947,110 42.387,110
SW1 on Top Layer "SW1_L01_P008" (solid, remove dead copper, pour order 8): 41,106.25 17.5,106.25 17.5,111 17.5,118 2.25,118 2.25,106.75 8.043,106.75 cw(c-99.821,-13.114) 20.043,94.75 41,94.75
SW2 on Top Layer "SW2_L01_P010" (solid, remove dead copper, pour order 10): 42.245,106.25 43,106.25 43.5,106.25 43.5,117.85 59.75,117.85 59.75,94.8 42.249,94.8
Net3_1 on Top Layer "NET3_1_L01_P018" (solid, remove dead copper, pour order 18): 46,118.75 46,128.25 51,128.25 51,131.75 66.5,131.75 66.5,94.8 60.75,94.8 60.75,118.75
NetVD7_1 on Top Layer "NETVD7_1_L01_P071" (solid, remove dead copper, pour order 71): -18.75,157.051 -18.75,146.75 -23.197,146.75 -23.197,157.051
VBATF on Top Layer "VBATF_L01_P032" (solid, remove dead copper, pour order 32): 42.75,153.75 32.505,153.75 32.497,181 42.75,181
NetC6_2 on Top Layer "NETC6_2_L01_P014" (solid, remove dead copper, pour order 14): 1.25,119 1.25,106.75 -24.97,106.75 -24.97,132 12.25,132 12.25,128.25 16.859,128.25 16.859,119
NetC41_1 on Top Layer "NETC41_1_L01_P075" (solid, remove dead copper, pour order 75): -19.25,54 -19.25,50.25 -13.25,50.25 -13.25,58.5 -17.597,58.5 -17.597,54
no net on Top Layer "NONET_L01_P006" (solid, remove dead copper, pour order 6): -24.75,49.5 -13.25,49.5 -13.25,48 -9.25,48 -9.25,43.5 -24.75,43.5
NetC44_2 on Top Layer "NETC44_2_L01_P077" (solid, remove dead copper, pour order 77): -8.5,58.5 -6,58.5 -6,38.9 -8.5,38.9
3.3V on Top Layer "3.3V_L01_P083" (solid, remove dead copper, pour order 83): -9.1,38.9 -9.1,42.9 -15,42.9 -15,38.9
no net on Top Layer "NONET_L01_P091" (solid, remove dead copper, pour order 91): 11.6,21.4 17.6,21.4 17.6,15.5 11.6,15.5
VIN1 on Top Layer "VIN1_L01_P073" (solid, remove dead copper, pour order 73): 16.8,137.75 16.8,128.825 13.25,128.825 13.25,133 11.7,133 11.7,137.75
VBAT on Top Layer "VBAT_L01_P030" (solid, remove dead copper, pour order 30): 43.75,153.75 43.75,170 66.25,170 66.25,153.75
NetC10_2 on Top Layer "NETC10_2_L01_P028" (solid, remove dead copper, pour order 28): 32.947,152.7 66.25,152.7 66.25,132.6 50,132.6 50,128.75 46,128.75 46,136.191 46,139 32.947,139
no net on Top Layer "NONET_L01_P105" (solid, remove dead copper, pour order 105): -31.5,60.75 66.5,60.75 66.5,-6.5 -31.5,-6.5
GND_USB on INT2 "GND_USB_L03_P038" (solid, remove dead copper, pour order 38): -31.25,20.5 -10,20.5 -10,-6.25 -31.25,-6.25
GND on INT2 "GND_L03_P040" (solid, remove dead copper, pour order 40): 66.5,94.8 20.45,94.8 8.5,106.75 -31.5,106.75 -31.5,191.5 66.5,191.5
AGND on INT2 "AGND_L03_P044" (solid, remove dead copper, pour order 44): -31.5,106.75 2,106.75 2,106.25 8,106.25 20.25,94 53,94 53,61.75 -31.5,61.75
no net on INT2 "NONET_L03_P087" (solid, remove dead copper, pour order 87): -31.25,60.75 -31.25,21.5 -9,21.5 -9,-6.25 66.25,-6.25 66.5,-6 66.5,94 66.5,94.8 60,94.8 60,94 54,94 54,60.75
VCC5V-USB on INT1 "VCC5V-USB_L02_P061" (solid, remove dead copper, pour order 61): -31.25,20.5 -10,20.5 -10,-6.25 -31.25,-6.25
GND on INT1 "GND_L02_P063" (solid, remove dead copper, pour order 63): 66.5,94.8 20.45,94.8 8.5,106.75 -31.5,106.75 -31.5,191.5 66.5,191.5
VDD on INT1 "VDD_L02_P064" (solid, remove dead copper, pour order 64): -31.5,101.75 8.5,101.75 18.75,91.5 53,91.5 53,61.75 -31.5,61.75
3.3V on INT1 "3.3V_L02_P085" (solid, remove dead copper, pour order 85): -31.25,60.75 -31.25,21.5 -9,21.5 -9,-6.338 66.25,-6.338 66.5,-6.088 66.5,60.75
AGND on Bottom Layer "AGND_L04_P098" (solid, remove dead copper, pour order 98): -25,105.75 8,105.75 20,93.75 66.5,93.75 66.5,61.75 -25,61.75
GND on Bottom Layer "GND_L04_P065" (solid, remove dead copper, pour order 65): 66.5,94.8 20.45,94.8 8.5,106.75 -31.5,106.75 -31.5,191.5 66.5,191.5
no net on Bottom Layer "NONET_L04_P093" (solid, remove dead copper, pour order 93): -31.5,60.75 66.5,60.75 66.5,-6.5 -31.5,-6.5

## Keep-outs
Keep-Out Layer:
  lines w0.15: -32.5,-7.5 -37.5,-7.5 -37.5,192.5 -32.5,192.5 ; -32.5,-7.5 -32.5,192.5 ; -32.5,-7.5 67.5,-7.5 ; -32.5,192.5 67.5,192.5 ; 67.5,-7.5 72.5,-7.5 72.5,192.5 67.5,192.5 ; 67.5,-7.5 67.5,192.5

## Other copper
Top Layer:
  pour cut-out: -11.3,151.5 -11.3,152.525 -10,152.525 -10,151.5
  pour cut-out: -31.5,50.25 -13.25,50.25 -13.25,49.5 -31.5,49.5
  pour cut-out: -12.498,58.5 -12.498,49.5 -13.248,49.5 -13.248,58.5
  pour cut-out: -25.5,59.254 -12.5,59.254 -12.5,58.504 -25.5,58.504
  pour cut-out: -25.225,60.5 -25.225,52 -25.975,52 -25.975,60.5
  pour cut-out: -25.225,52.75 -21.66,52.75 -21.66,52 -25.225,52
  pour cut-out: 29.766,94.5 53.75,94.5 53.75,82.25 29.726,82.25
INT1:
  pour cut-out: 2,118.25 17.706,118.25 17.706,106.5 43.25,106.5 43.25,118.25 60,118.25 60,94.55 20.024,94.55 8.074,106.5 2,106.5
INT2:
  pour cut-out: 2,118.25 17.706,118.25 17.706,106.5 43.25,106.5 43.25,118.25 60,118.25 60,94.55 20.024,94.55 8.074,106.5 2,106.5
Bottom Layer:
  pour cut-out: 2,118.25 17.706,118.25 17.706,106.5 43.25,106.5 43.25,118.25 60,118.25 60,94.55 20.024,94.55 8.074,106.5 2,106.5
  pour cut-out: 29.766,94.5 53.75,94.5 53.75,82.25 29.726,82.25
  pour cut-out: 30.898,119.75 30.898,116.75 60,116.75 60.5,116.25 60.5,94.75 63.25,94.75 62.99,95.01 63,119.75
  pour cut-out: 59.1,117.6 61.3,117.6 61.3,109.7 59.1,109.7

## Silkscreen, mask and mechanical layers (free items; w line width, h text height)
Top Overlay:
  lines w0.15: -28.45,5.95 -26.95,5.95 ; -21.85,11.15 -21.85,12.65 ; -21.85,13.05 -21.85,14.55 ; -1.85,39.55 -0.35,39.55 ; 20.1,-1.25 20.1,0.25 ; 26,-1.1 26,0.4 ; 27.05,71.5 28.55,71.5 ; -28.45,7.2 -26.95,7.2 -27.7,5.95 -28.45,7.2 ; -23.1,11.15 -21.85,11.9 -23.1,12.65 -23.1,11.15 ; -23.1,13.05 -21.85,13.8 -23.1,14.55 -23.1,13.05 ; -1.85,38.3 -1.1,39.55 -0.35,38.3 -1.85,38.3 ; 18.85,-1.25 18.85,0.25 20.1,-0.5 18.85,-1.25 ; 24.75,-1.1 24.75,0.4 26,-0.35 24.75,-1.1 ; 27.05,72.75 27.8,71.5 28.55,72.75 27.05,72.75
  lines w0.2: -4.3,3.9 -10.1,3.9 -11.8,4.6 ; -11.8,4.6 -19.4,4.6 -19.4,8.8 -11.8,8.8 -11.8,4.6
  text "DC IN" at -5,191.8 h1.8 r180
  text "PANEL" at 22,191.8 h1.8 r180
  text "VBAT" at 47,191.8 h1.8 r180
  text "+" at -15.6,191.6 h1 r180
  text "-" at -0.8,191.6 h1 r180
  text "+" at 10.4,191.6 h1 r180
  text "-" at 25.2,191.6 h1 r180
  text "+" at 36.4,191.6 h1 r180
  text "-" at 51.2,191.6 h1 r180
  text "MPPT BATTERY" at -28.45,128.164 h1.8
  text "CHARGE CONTROLLER" at -28.45,125.164 h1.8
  text "REV. 1" at -28.45,119.4 h1.8
  text "-" at 59.2,74.8 h2 r90
  text "NTC" at 58.95,70.45 h1 r90
  text "STS" at 28.2,68.936 h1.6 r90
  text "+" at 59.2,67.5 h2 r90
  text "SHDN" at 15.639,63.1 h1
  text "RST" at 44.6,58.2 h1
  text "USER" at 59.2,57.4 h1
  text "JTAG" at 30.1,56.9 h1
  text "7-48VIN" at -32,44 h1
  text "12VIN" at -24,41 h1
  text "3V3" at -0.7,40.286 h1.6 r90
  text "GND" at -24,37.5 h1
  text "CANL" at -24,33.25 h1
  text "CANH" at -24,29.75 h1
  text "CAN" at -29.25,27.75 h2.5 r270
  text "120R" at -10.7,24.8 h1
  text "RX" at -26.997,14.1 h1.6 r90
  text "TX" at -26.997,10.3 h1.6 r90
  text "+5V" at -25.447,5.75 h1.6 r90
  text "LED2" at 21.3,1.2 h1.6
  text "LED1" at 15.7,1.1 h1.6
  text "USB" at -9.761,-6 h1

## Text inside footprints (layer, text, board x,y; h text height)
B1: Top Assy "+" at 33.75,18.5 h2; Top Overlay "+" at 33.75,18.5 h2
C13: Top Overlay "+" at 41,148.4 h1.5 r180
XP7: Top Overlay "1" at 4.329,50.085 h1; Top Overlay "2" at 4.104,52.635 h1
XP9: Top Assy "PCB edge" at -10.9,-8.2 h1.5
XT1: Top Assy "2" at 22.45,179.6 h2 r180; Top Assy "1" at 13.05,179.6 h2 r180; Top Overlay "1" at 5.75,175.5 h1
XT2: Top Assy "1" at 39.05,179.6 h2 r180; Top Assy "2" at 48.45,179.6 h2 r180; Top Overlay "1" at 32,175.5 h1
XT4: Top Assy "1" at -12.95,179.6 h2 r180; Top Assy "2" at -3.55,179.6 h2 r180; Top Overlay "1" at -20,175.5 h1